# Altium PCB PMR_for_R124_v2.PcbDoc (part 2 of 3) (continued)
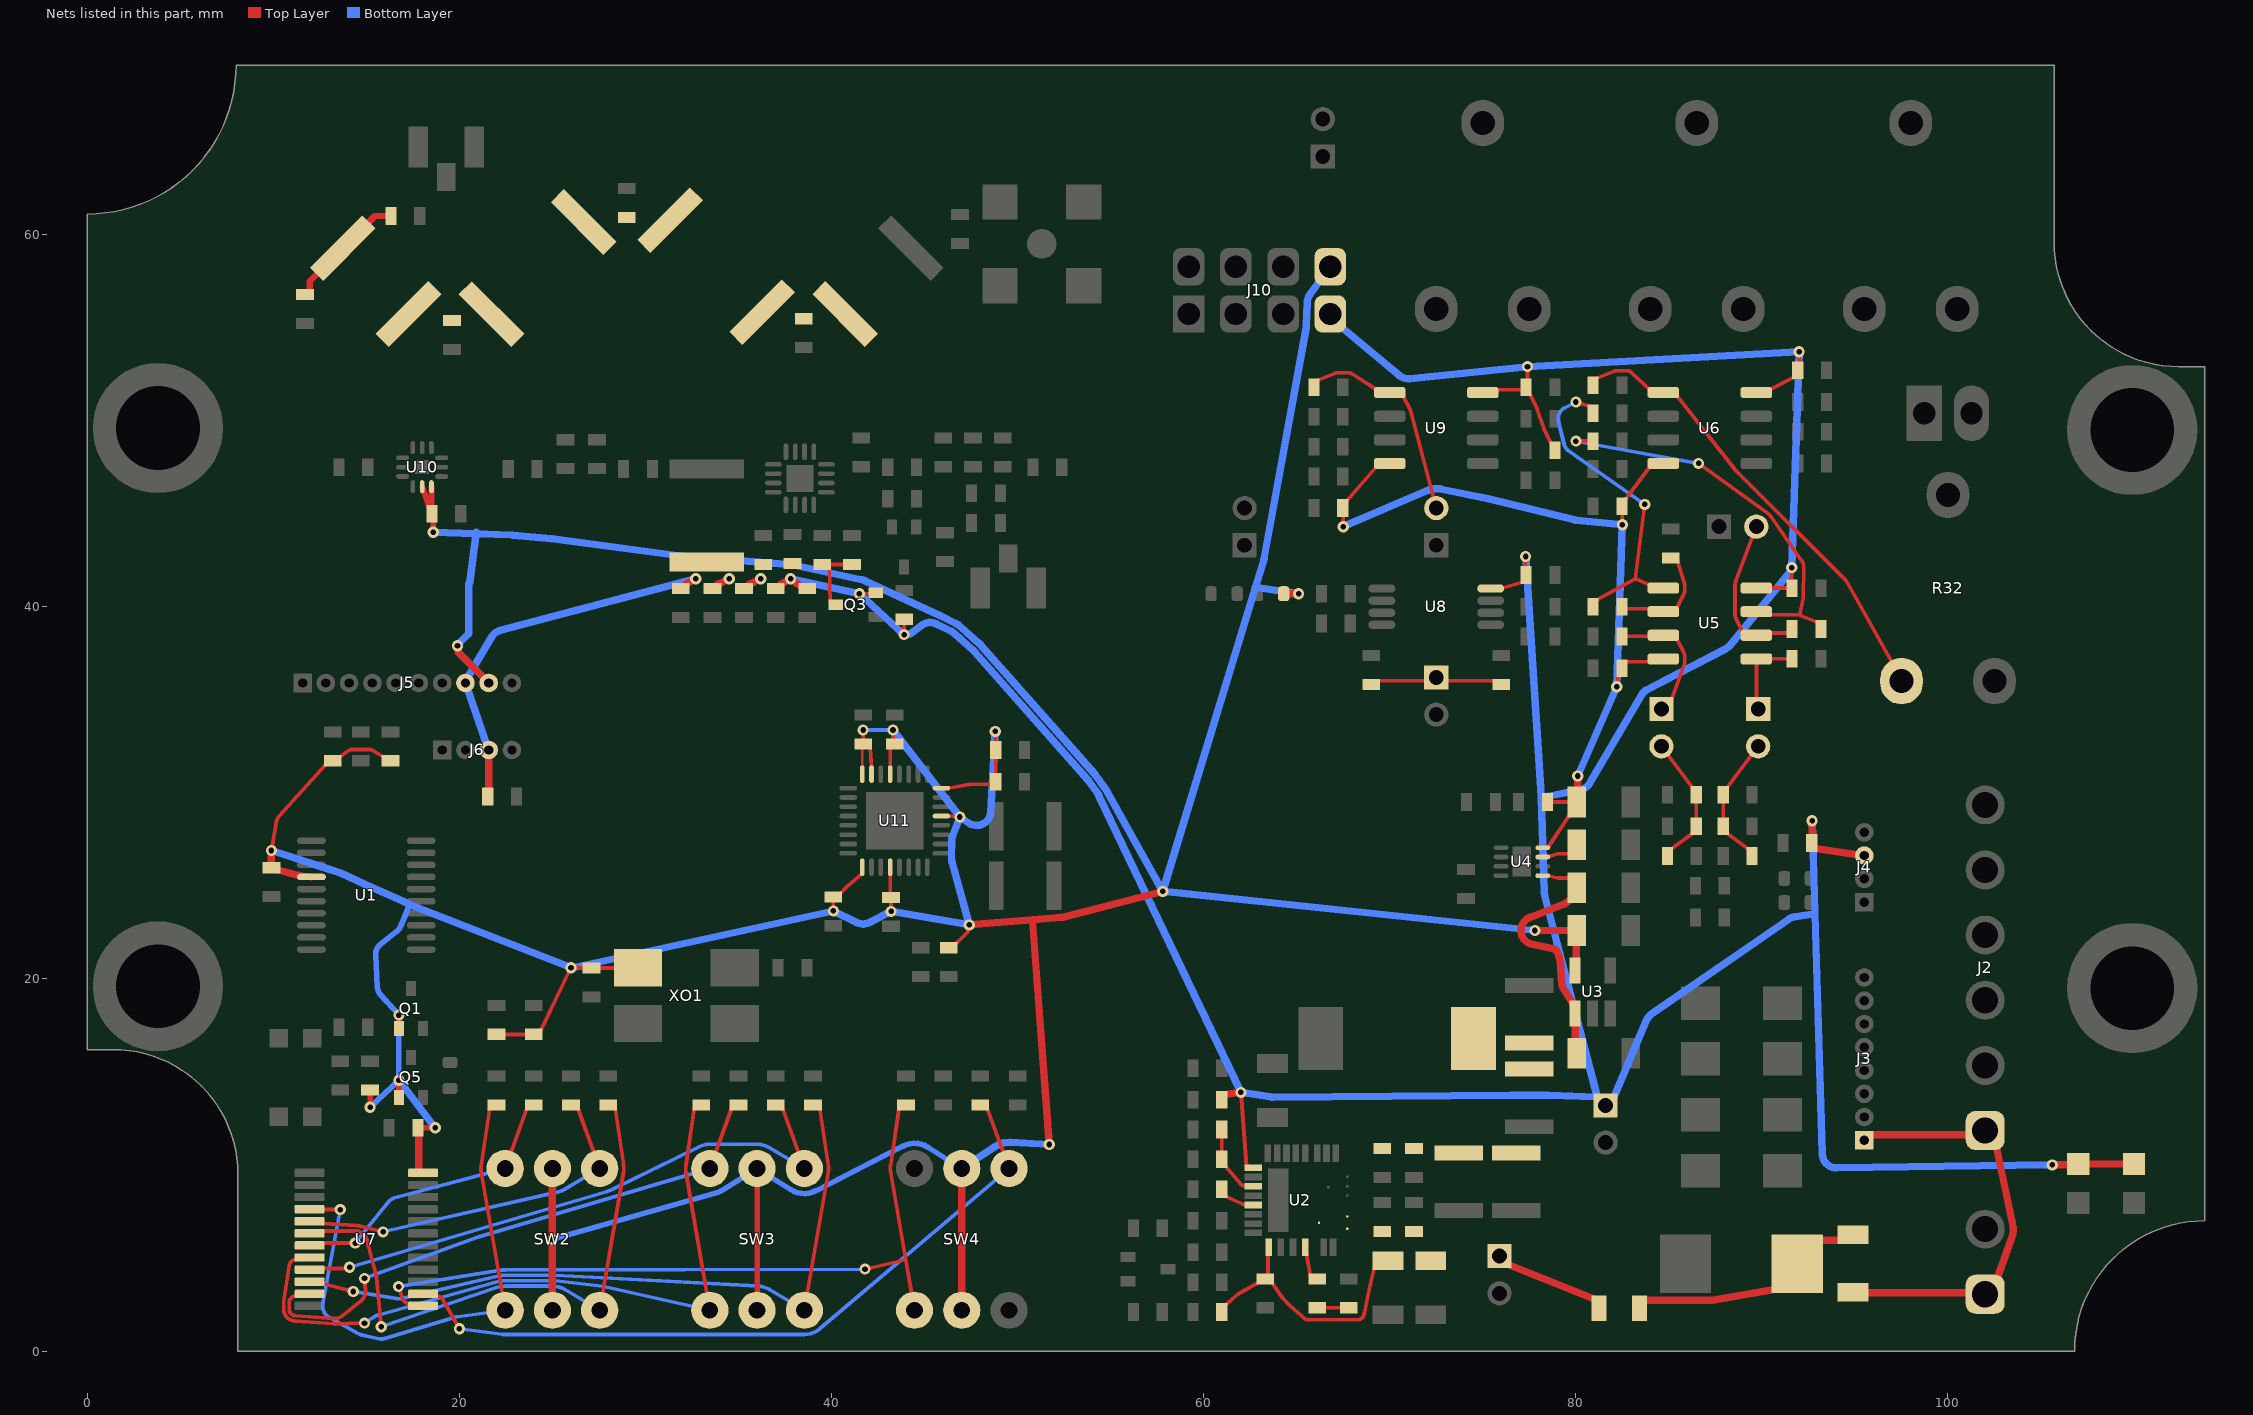
[diagram p4: the nets of this part, all layers, seen from the top]
## Part data (continued)
R69: library part WR06X82R0FTL, "WALSIN - WR06X82R0FTL - RESISTOR, THICK FILM, 82R, 1%, 75V, 0603", Manufacturer=WALSIN, Power Rating=100, Resistance=82R, Resistance Tolerance="± 1%", Resistor Case Style="0603 [1608 Metric]", Resistor Element Material="Thick Film", Supplier Part Number 1=2502484, Temperature Coefficient="± 100", Voltage Rating=75, Automotive Qualification Standard=-, ComponentLink1Description=http://www.farnell.com/datasheets/1960319.pdf, ComponentLink1URL=http://www.farnell.com/datasheets/1960319.pdf, Manufacturer Part Number=WR06X82R0FTL, MSL="MSL 2 - 1 year<!--FANDB--><div class=\"features-and-benefits-container\"><div class=\"features-and-benefits-desc-container\"><span class=\"features-and-benefits-container-desc\">SMD Chip Resistor, 82 ohm, 75 V, 0603 [1608 Metric], 100 mW, ± 1%, WR06 Series</span></div><div class=\"features-and-benefits-description\"><span class=\"features-benefits-value\">The WR06 series resistors from Walsin are general purpose thick film chip resistors. These resistors are constructed in a high grade ceramic body (aluminium oxide).</span></div><div class=\"features-and-benefits-list\"><ul class=\"features-and-benefits-list-list\"><li class=\"features-and-benefits-list-item\">Resistance range includes E24 and E96 decade values from 1ohm to 10Mohm</li><li class=\"features-and-benefits-list-item\">EIA 0603 case size</li><li class=\"features-and-benefits-list-item\">Available in ?±100ppm/°C and -200ppm/°C to +400ppm/°C TCR values</li><li class=\"features-and-benefits-list-item\">Available in ±1% and ±5% tolerance</li><li class=\"features-and-benefits-list-item\">High reliability and stability</li><li class=\"features-and-benefits-list-item\">Higher component and equipment reliability</li><li class=\"features-and-benefits-list-item\">Lower assembly costs</li><li class=\"features-and-benefits-list-item\">Reduced size of final equipment</li><li class=\"features-and-benefits-list-item\">Continuous working voltage is 75V and rated power is 100", Packaging="Cut Tape", Pricing 1="10=0.0128, 100=0.0043, 500=0.0026, 1000=0.0018, 2500=0.0014 (GBP)", Product Range="WR06 Series", RoHS=YES, Stock 1=1700, Supplier 1=Farnell
R70 R71: library part RC0603FR-0791RL, "SMD Chip Resistor, 91 Ohm, ± 1%, 100 mW, 0603 [1608 Metric], Thick Film, General Purpose", Case Code (Imperial)=0603, Case Code (Metric)=1608, Manufacturer=Yageo, Max Operating Temperature=155°C, Max Power Dissipation=100mW, Min Operating Temperature=-55°C, Resistance=91R, Supplier Part Number 1=603-RC0603FR-0791RL, Temperature Coefficient=100ppm/°C, Tolerance=1%, Voltage Rating=50V, Case/Package=0603, Category="Chip SMD Resistors", ComponentLink1Description=https://datasheet.ciiva.com/2455/pyu-r-int-thick-7-2455336.pdf?src-supplier=Digi-Key, ComponentLink1URL=https://datasheet.ciiva.com/2455/pyu-r-int-thick-7-2455336.pdf?src-supplier=Digi-Key, ComponentLink2Description=https://datasheet.ciiva.com/2455/pyu-r-int-thick-7-2455337.pdf?src-supplier=Digi-Key, ComponentLink2URL=https://datasheet.ciiva.com/2455/pyu-r-int-thick-7-2455337.pdf?src-supplier=Digi-Key, ComponentLink3Description=https://datasheet.ciiva.com/2455/pyu-r-int-thick-7-2455335.pdf?src-supplier=Digi-Key, ComponentLink3URL=https://datasheet.ciiva.com/2455/pyu-r-int-thick-7-2455335.pdf?src-supplier=Digi-Key, Construction=Rectangular, Depth=0.8mm, Features="Moisture Resistant", Height=0.45mm, Lead Free=5697LeadFree, Length=1.6mm, Manufacturer Part Number=RC0603FR-0791RL, Military Standard=Not, Number of Terminations=2, Packaging="Tape and Reel", Power Rating=100mW, Pricing 1="1=0.1, 10=0.011, 50=0.011, 100=0.006, 1000=0.004, 10000=0.004 (USD)", RoHS=Yes, RoHS Compliant=Yes, Series=RC, Stock 1=58719, Supplier 1=Mouser, Supplier 2=Farnell, Supplier 3=Digi-Key, Supplier Part Number 2=3950881, Supplier Part Number 3=311-91.0HRCT-ND, Termination=SMD/SMT, Voltage Rating (DC)=50V, Width=0.8mm
R73: library part RC0603FR-076K8L, "Res Thick Film 0603 6.8K Ohm 1% 0.1W(1/10W) ±100ppm/C Pad SMD T/R", Case Code (Imperial)=0603, Case Code (Metric)=1608, Manufacturer=Yageo, Max Operating Temperature=155°C, Max Power Dissipation=100mW, Min Operating Temperature=-55°C, Package Quantity=1, Resistance=6k8, Supplier Part Number 1=603-RC0603FR-076K8L, Temperature Coefficient=100ppm/°C, Tolerance=1%, Voltage Rating=50V, Case/Package=0603, Category="Chip SMD Resistors", ComponentLink1Description=https://datasheet.ciiva.com/46412/443971-46412856.pdf?src-supplier=Element14, ComponentLink1URL=https://datasheet.ciiva.com/46412/443971-46412856.pdf?src-supplier=Element14, ComponentLink2Description=https://datasheet.ciiva.com/7746/443971-7746394.pdf?src-supplier=Element14, ComponentLink2URL=https://datasheet.ciiva.com/7746/443971-7746394.pdf?src-supplier=Element14, ComponentLink3Description=https://datasheet.ciiva.com/7746/443971-7746395.pdf?src-supplier=Element14, ComponentLink3URL=https://datasheet.ciiva.com/7746/443971-7746395.pdf?src-supplier=Element14, ComponentLink4Description=https://datasheet.ciiva.com/2454/pyu-r-int-thick-7-2454156.pdf?src-supplier=Digi-Key, ComponentLink4URL=https://datasheet.ciiva.com/2454/pyu-r-int-thick-7-2454156.pdf?src-supplier=Digi-Key, ComponentLink5Description=https://datasheet.ciiva.com/2454/pyu-r-int-thick-7-2454157.pdf?src-supplier=Digi-Key, ComponentLink5URL=https://datasheet.ciiva.com/2454/pyu-r-int-thick-7-2454157.pdf?src-supplier=Digi-Key, ComponentLink6Description=https://datasheet.ciiva.com/2454/pyu-r-int-thick-7-2454158.pdf?src-supplier=Digi-Key, ComponentLink6URL=https://datasheet.ciiva.com/2454/pyu-r-int-thick-7-2454158.pdf?src-supplier=Digi-Key, ComponentLink7Description=https://datasheet.ciiva.com/7983/443971-7983662.pdf?src-supplier=Element14, ComponentLink7URL=https://datasheet.ciiva.com/7983/443971-7983662.pdf?src-supplier=Element14, ComponentLink8Description=https://datasheet.ciiva.com/46371/1868787-46371519.pdf?src-supplier=Element14, ComponentLink8URL=https://datasheet.ciiva.com/46371/1868787-46371519.pdf?src-supplier=Element14, Composition="Thick Film", Depth=0.8mm, Features="Moisture Resistant", Height=0.022inch, Lead Free="Lead Free", Length=0.063inch, Manufacturer Part Number=RC0603FR-076K8L, Military Standard=Not, Number of Pins=2, Number of Terminations=2, Packaging="Tape and Reel", Power Rating=100mW, Pricing 1="1=0,10000, 10=0,01800, 100=0,00600, 1000=0,00500, 5000=0,00300, 10000=0,00300 (USD)", REACH SVHC="No SVHC", RoHS=Yes, Stock 1=241804, Supplier 1=Mouser, Supplier 2=Farnell, Supplier 3=Digi-Key, Supplier Part Number 2=2421883, Supplier Part Number 3=311-6.80KHRCT-ND, Termination=SMD/SMT, Voltage Rating (DC)=50V, Width=0.031inch
SW1: library part "KMR241G LFS", "C & K COMPONENTS - KMR241G LFS - SWITCH, SMD, 4N, 0.05A, 32VDC, SPST-NO", Actuator / Cap Colour=Black, Contact Current Max=50, Contact Resistance=100, Contact Voltage DC Nom=32, Manufacturer="C & K COMPONENTS", Operating Force=4, Operating Temperature Max=85, Operating Temperature Min=-40, Power Rating="1VA<!--FANDB--><div class=\"features-and-benefits-container\"><div class=\"features-and-benefits-description\"><span class=\"features-benefits-value\">The KMR241G LFS is a micro-miniature SMD Tactile Switch with momentary action and SPST-NO contact arrangement. It has silver-plated gull-wing terminals and grounding pin.</span></div><div class=\"features-and-benefits-list\"><ul class=\"features-and-benefits-list-list\"><li class=\"features-and-benefits-list-item\">Top actuated</li><li class=\"features-and-benefits-list-item\">Excellent tactile feel</li><li class=\"features-and-benefits-list-item\">Ultra low current capabilities</li><li class=\"features-and-benefits-list-item\">300000-cycle Operating life</li><li class=\"features-and-benefits-list-item\">IP40 Protection rating</li></ul></div><div class=\"features-and-benefits-applications\"><ul class=\"features-and-benefits-value\"><li class=\"features-and-benefits-list-item\">Automotive</li><li class=\"features-and-benefits-list-item\">Industrial</li><li class=\"features-and-benefits-list-item\">Medical</li><li class=\"features-and-benefits-list-item\">Portable Devices</li></ul></div></div>", Supplier Part Number 1=611-KMR241GLFS, Actuation Type=Top, ComponentLink1Description=http://www.farnell.com/datasheets/1702857.pdf, ComponentLink1URL=http://www.farnell.com/datasheets/1702857.pdf, Contact Configuration=SPST-NO, External Depth=2.8, External Length / Height=1.9, External Width=4.6, Illumination="Non Illuminated", Manufacturer Part Number="KMR241G LFS", Pricing 1="1=0.384, 50=0.37, 100=0.218, 7000=0.185, 20000=0.181, 30000=0.178, 50000=0.174 (GBP)", Product Range=-, RoHS=YES, Stock 1=40256, Supplier 1=Mouser, Supplier 2=Farnell, Supplier 3=Digi-Key, Supplier Part Number 2=1437637, Supplier Part Number 3=CKN10248DKR-ND, SVHC="No SVHC (17-Dec-2015)", Switch Terminals=Solder
SW2 SW3 SW4: "Rotary Coded Switch Hexadecimal – MCRH Series 10 × 10mm, Through Hole", Manufacturer=Multicomp, Supplier Part Number 1=1522033, ComponentLink1Description=https://datasheet.ciiva.com/6800/389223-6800880.pdf?src-supplier=Newark, ComponentLink1URL=https://datasheet.ciiva.com/6800/389223-6800880.pdf?src-supplier=Newark, ComponentLink2Description=https://datasheet.ciiva.com/1531/1520809-1531931.pdf?src-supplier=Element14, ComponentLink2URL=https://datasheet.ciiva.com/1531/1520809-1531931.pdf?src-supplier=Element14, Manufacturer Part Number=MCRH2AF-16R, RoHS=Yes, Stock 1=789, Supplier 1=Farnell, Supplier 2=Newark, Supplier Part Number 2=74M3034
U1: "MCU 32-Bit STM32 ARM Cortex-M0+ RISC 32KB Flash 2V to 3.6V 20-Pin TSSOP T/R", Manufacturer=STMicroelectronics, Supplier Part Number 1=511-STM32G030F6P6TR, Category=Microcontrollers, Manufacturer Part Number=STM32G030F6P6TR, Pricing 1="1=1.84000, 10=1.66000, 50=1.66000, 100=1.29000, 250=1.21000, 500=1.07000, 1000=0.84100, 2500=0.78400, 5000=0.74700, 10000=0.74700 (USD)", RoHS=Yes, Stock 1=3310, Supplier 1=Mouser, Supplier 2=Digi-Key, Supplier Part Number 2=497-STM32G030F6P6TRCT-ND
U2: "Switching Voltage Regulators microBUCK 4.5-55V; 3A", Manufacturer=Vishay, Supplier Part Number 1=78-SIC479ED-T1-GE3, Category="Voltage Regulators - Switching", ComponentLink1Description=http://www.vishay.com/docs/77113/sic47x.pdf?src-supplier=Digi-Key, ComponentLink1URL=http://www.vishay.com/docs/77113/sic47x.pdf?src-supplier=Digi-Key, ComponentLink2Description=https://datasheet.octopart.com/SIC479ED-T1-GE3-Vishay-datasheet-156007660.pdf?src-supplier=Future+Electronics, ComponentLink2URL=https://datasheet.octopart.com/SIC479ED-T1-GE3-Vishay-datasheet-156007660.pdf?src-supplier=Future+Electronics, Manufacturer Part Number=SIC479ED-T1-GE3, Pricing 1="1=4.1, 10=3.69, 50=3.41, 100=3.02, 1000=2.41, 10000=2.4 (USD)", RoHS=Yes, Stock 1=3358, Supplier 1=Mouser, Supplier 2=Digi-Key, Supplier 3=Newark, Supplier 4=Farnell, Supplier Part Number 2=742-SIC479ED-T1-GE3CT-ND, Supplier Part Number 3=23AH3586, Supplier Part Number 4=3212621
U3: "IC REG LINEAR 200MA SOT23-5", Current - Output=200mA, Manufacturer=STMicroelectronics, Operating Temperature="-40°C ~ 125°C (TJ)", Package / Case="SC-74A, SOT-753", Supplier Device Package=SOT-23-5, Supplier Part Number 1=511-LDK320M33R, Voltage - Input (Max)=18V, Voltage - Output (Min/Fixed)=3.3V, Voltage Dropout (Max)="0.35V @ 200mA", Category="Integrated Circuits (ICs)", ComponentLink1Description=http://www.st.com/content/ccc/resource/technical/document/datasheet/0e/0c/26/c9/a4/d4/4b/a1/DM00236470.pdf/files/DM00236470.pdf/jcr:content/translations/en.DM00236470.pdf, ComponentLink1URL=http://www.st.com/content/ccc/resource/technical/document/datasheet/0e/0c/26/c9/a4/d4/4b/a1/DM00236470.pdf/files/DM00236470.pdf/jcr:content/translations/en.DM00236470.pdf, Control Features=Enable, Manufacturer Part Number=LDK320M33R, Mounting Type="Surface Mount", Output Configuration=Positive, Output Type=Fixed, Packaging="Cut Tape (CT)", Part Status=Active, Pricing 1="1=0.85, 10=0.748, 100=0.5733, 500=0.4532, 1000=0.36256 (USD)", Protection Features="Over Current, Over Temperature", PSRR="88dB (120Hz)", RoHS="RoHS Compliant", Stock 1=5592, Supplier 1=Mouser, Supplier 2=Farnell, Supplier 3=Digi-Key, Supplier Part Number 2=3130011, Supplier Part Number 3=497-17034-1-ND
U4: "Low-Noise Regulated Inverter with Integrated LDO 8-WSON -40 to 85", Manufacturer="Texas Instruments", Max Supply Voltage=5.5V, Min Supply Voltage=2.7V, Nominal Supply Current=370uA, Supplier Part Number 1=595-LM27761DSGT, Category="Voltage Regulators - Switching", ComponentLink1Description=http://www.ti.com/lit/gpn/lm27761?src-supplier=Mouser, ComponentLink1URL=http://www.ti.com/lit/gpn/lm27761?src-supplier=Mouser, ComponentLink2Description=http://www.ti.com/general/docs/lit/getliterature.tsp?genericPartNumber=LM27761&amp;&amp;fileType=pdf&src-supplier=Newark, ComponentLink2URL=http://www.ti.com/general/docs/lit/getliterature.tsp?genericPartNumber=LM27761&amp;&amp;fileType=pdf&src-supplier=Newark, ComponentLink3Description=http://www.ti.com/general/docs/lit/getliterature.tsp?genericPartNumber=LM27761&amp;&amp;fileType=pdf&src-supplier=Farnell, ComponentLink3URL=http://www.ti.com/general/docs/lit/getliterature.tsp?genericPartNumber=LM27761&amp;&amp;fileType=pdf&src-supplier=Farnell, ComponentLink4Description=http://www.ti.com/general/docs/lit/getliterature.tsp?genericPartNumber=LM27761&&fileType=pdf&src-supplier=Farnell, ComponentLink4URL=http://www.ti.com/general/docs/lit/getliterature.tsp?genericPartNumber=LM27761&&fileType=pdf&src-supplier=Farnell, ComponentLink5Description=http://www.ti.com/general/docs/suppproductinfo.tsp?distId=10&amp;gotoUrl=http%3A%2F%2Fwww.ti.com%2Flit%2Fgpn%2Flm27761&src-supplier=Digikey, ComponentLink5URL=http://www.ti.com/general/docs/suppproductinfo.tsp?distId=10&amp;gotoUrl=http%3A%2F%2Fwww.ti.com%2Flit%2Fgpn%2Flm27761&src-supplier=Digikey, ComponentLink6Description=http://www.ti.com/lit/ds/symlink/lm27761.pdf?src-supplier=Digikey, ComponentLink6URL=http://www.ti.com/lit/ds/symlink/lm27761.pdf?src-supplier=Digikey, ComponentLink7Description=http://www.ti.com/general/docs/lit/getliterature.tsp?genericPartNumber=LM27761&&fileType=pdf&src-supplier=Element14, ComponentLink7URL=http://www.ti.com/general/docs/lit/getliterature.tsp?genericPartNumber=LM27761&&fileType=pdf&src-supplier=Element14, Height=800um, Length=2mm, Manufacturer Part Number=LM27761DSGT, Pricing 1="1=1.25, 10=0.81, 50=0.81, 100=0.72, 1000=0.72, 10000=0.72 (USD)", RoHS=Yes, Stock 1=2552, Supplier 1=Mouser, Supplier 2="Texas Instruments", Supplier 3=Digikey, Supplier Part Number 2=LM27761DSGT, Supplier Part Number 3=296-43882-1-ND, Thickness=750um, Width=2mm
U5 U6 U9: "2-channel, 10-MHz, 26-V output swing, low-noise audio op amp 8-SOIC 0 to 70", Case/Package=D, Dual Supply Voltage=9V, Input Bias Current=800nA, Input Offset Voltage (Vos)=4mV, Manufacturer="Texas Instruments", Max Dual Supply Voltage=15V, Max Operating Temperature=70°C, Min Dual Supply Voltage=5V, Min Operating Temperature=0°C, Nominal Supply Current=16mA, Operating Supply Current=8mA, Output Current=38mA, Package Quantity=1, Supplier Part Number 1=595-NE5532DR, Voltage Gain=100dB, Bandwidth=10MHz, Category="Amplifiers - Op Amps, Buffer, Instrumentation", Common Mode Rejection Ratio=70dB, ComponentLink1Description=https://datasheet.ciiva.com/1796/ne5532-1796190.pdf?src-supplier=Digi-Key, ComponentLink1URL=https://datasheet.ciiva.com/1796/ne5532-1796190.pdf?src-supplier=Digi-Key, ComponentLink2Description=https://datasheet.ciiva.com/1796/ne5532-1796189.pdf?src-supplier=Digi-Key, ComponentLink2URL=https://datasheet.ciiva.com/1796/ne5532-1796189.pdf?src-supplier=Digi-Key, ComponentLink3Description=https://datasheet.ciiva.com/1796/ne5532-1796191.pdf?src-supplier=Digi-Key, ComponentLink3URL=https://datasheet.ciiva.com/1796/ne5532-1796191.pdf?src-supplier=Digi-Key, Contact Plating=Gold, Gain Bandwidth Product=10MHz, Height=1.58mm, Lead Free="Lead Free", Length=4.9mm, Manufacturer Part Number=NE5532DR, Max I/O Voltage=4mV, Max Supply Voltage=15V, Nominal Gain Bandwidth Product=10MHz, Number of Amplifiers=2, Number of Channels=2, Number of Circuits=2, Number of Elements=2, Number of Pins=8, Output Current per Channel=38mA, Packaging="Tape and Reel", Parameter 1=Jellybean, Pricing 1="1=0.60000, 10=0.51400, 50=0.51400, 100=0.35600, 500=0.30100, 1000=0.23300, 2500=0.21100, 10000=0.21100 (USD)", Radiation Hardening=No, REACH SVHC="No SVHC", RoHS=Yes, RoHS Compliant=Yes, Slew Rate=9V/µs, Supplier 1=Mouser, Supplier 2=Farnell, Supplier 3=Digi-Key, Supplier Part Number 2=3117312, Supplier Part Number 3=296-13622-6-ND, Unity Gain Bandwidth Product=10MHz, Width=3.91mm
U7: library part CMP-0314-00251-2, "Remote 16-Bit I2C and SMBus, Low-Power I/O Expander with Interrupt Output, Reset & Config. Register, 1.65 to 5.5 V, -40 to 85 degC, 24-pin TSSOP (PW), Green (RoHS & no Sb/Br)", 5V Tolerant I/O=Yes, Manufacturer="Texas Instruments", Max Frequency(kHz)=400, # of I/Os=16, Code_JEDEC=MO-153, ComponentLink1Description=Datasheet, ComponentLink1URL=http://www.ti.com/general/docs/lit/getliterature.tsp?genericPartNumber=TCA9539&fileType=pdf, ComponentLink2Description="Package Specification", ComponentLink2URL=http://www.ti.com/litv/pdf/mpds177g, Configuration Registers=Yes, DatasheetVersion=SCPS202A, Eco-Plan="Green (RoHS & no Sb/Br)", I2C Address="1110 1xx", Interrupt Output=Yes, Low Power=Yes, Mounting Technology="Surface Mount", PackageDescription="24-Pin Thin Small Outline Package 0.65 mm Pitch", PackageReference=PW0024A, PackageVersion="revG, Feb-2011", PartNumber=TCA9539PWR, Push-Pull I/O Type=Yes, Reset Input=Yes, SubFamily="I2C IO Expander", Vcc range(V)="1.65 to 5.5"
U8: library part AD8532ARUZ-REEL, "Low Cost, 250 mA Output, Single-Supply Amplifiers, DUAL, CMOS, TSSOP, 8PIN, PLASTIC", Case/Package=TSSOP, Input Bias Current=5pA, Input Offset Voltage (Vos)=25mV, Input Voltage Noise Density="45nV/sqrt Hz", Manufacturer="Analog Devices", Max Operating Temperature=85°C, Max Supply Voltage=6V, Min Operating Temperature=-40°C, Min Supply Voltage=2.7V, Operating Supply Current=2.5mA, Output Current per Channel=250mA, Package Quantity=2500, Power Supply Rejection Ratio (PSRR)=55dB, Quiescent Current=1.25mA, Supplier Part Number 1=584-AD8532ARUZ-R, Voltage Gain=98.06dB, Amplifier Type="GENERAL PURPOSE", Category="Amplifiers - Op Amps, Buffer, Instrumentation", Common Mode Rejection Ratio=47dB, ComponentLink1Description=https://datasheet.ciiva.com/45425/ad8531-8532-8534-45425830.pdf?src-supplier=Digi-Key, ComponentLink1URL=https://datasheet.ciiva.com/45425/ad8531-8532-8534-45425830.pdf?src-supplier=Digi-Key, Contact Plating=Tin,Matte, Gain Bandwidth Product=3MHz, Lead Free="Contains Lead", Manufacturer Part Number=AD8532ARUZ-REEL, Number of Amplifiers=2, Number of Channels=2, Number of Circuits=2, Number of Elements=2, Packaging="Tape and Reel", Pins=8, Pricing 1="1=1.55, 10=1.32, 50=1.32, 100=1.12, 1000=0.762, 10000=0.648 (USD)", RoHS=Yes, RoHS Compliant=Yes, Series=-, Settling Time=1.4us, Slew Rate=5V/µs, Stock 1=16323, Supplier 1=Mouser, Supplier 2=Farnell, Supplier 3=Digi-Key, Supplier Part Number 2=4019791RL, Supplier Part Number 3=505-AD8532ARUZ-REELCT-ND, Technology=CMOS, Unity Gain Bandwidth Product=3MHz
U10: "RF Switch SP2T 100MHz to 6GHz 16dB Automotive 12-Pin QFN EP", Case/Package=QFN, Frequency=100MHz, Manufacturer="Skyworks Solutions", Max Frequency=6GHz, Max Operating Temperature=85°C, Min Operating Temperature=-40°C, Package Quantity=3000, Supplier Part Number 1=873-SKY13330-397LF, Category="RF Semiconductors and Devices", ComponentLink1Description=https://datasheet.ciiva.com/15100/getdatasheetpartid-656010-15100460.pdf?src-supplier=Verical, ComponentLink1URL=https://datasheet.ciiva.com/15100/getdatasheetpartid-656010-15100460.pdf?src-supplier=Verical, Contact Plating=Tin,Matte, Impedance=50R, Insertion Loss=0.65dB, Manufacturer Part Number=SKY13330-397LF, Mount="Surface Mount", Number of Pins=12, P1dB=39dBm, Packaging="Tape and Reel", Pricing 1="1=1.02000, 10=0.86600, 50=0.86600, 100=0.66600, 500=0.58800, 1000=0.46500, 3000=0.43000, 10000=0.43000 (USD)", Radiation Hardening=No, RoHS=Yes, Supplier 1=Mouser, Supplier 2=Digi-Key, Supplier 3="Arrow Electronics", Supplier Part Number 2=863-1643-2-ND, Supplier Part Number 3=SKY13330-397LF, Throw Configuration=SPDT, Turn-Off Delay Time=1.6us, Turn-On Delay Time=1.6us, Weight=0.000776oz
U11: "SINGLE CHIP TRANSCEIVER FOR WALKIE TALKIE"
U12: "Amplifier, Power, 0.4–0.5 GHz, 41.0 dB, 34.8 dBm, 3.0 x 3.0 mm QFN-16", Manufacturer="Guerrilla RF", Supplier Part Number 1=459-GRF5504, Category=LDO, Manufacturer Part Number=GRF5504, Pricing 1="1=6.08, 10=5.78, 50=5.78, 100=5.33, 1000=2.39, 10000=2.03 (USD)", RoHS=No, Stock 1=6789, Supplier 1=Mouser, Supplier 2="Richardson RFPD", Supplier Part Number 2=GRF5504
XO1: "Oscillator XO 25MHz ±25ppm CMOS 60% 3.3V 4-Pin SMD T/R", Case/Package=SMD/SMT, Frequency=25MHz, Frequency Stability=25ppm, Manufacturer=TXC, Max Operating Temperature=70°C, Max Supply Current=30mA, Min Operating Temperature=-10°C, Operating Supply Voltage=3.3V, Package Quantity=1000, Supplier Part Number 1=717-7C-25.000MBA-T, Category=Oscillators, ComponentLink1Description=https://datasheet.ciiva.com/866/7c-tight-866555.pdf?src-supplier=Digi-Key, ComponentLink1URL=https://datasheet.ciiva.com/866/7c-tight-866555.pdf?src-supplier=Digi-Key, ComponentLink2Description=https://datasheet.ciiva.com/866/7c-tight-866557.pdf?src-supplier=Digi-Key, ComponentLink2URL=https://datasheet.ciiva.com/866/7c-tight-866557.pdf?src-supplier=Digi-Key, ComponentLink3Description=https://datasheet.ciiva.com/1357/1363553-1357832.pdf?src-supplier=Element14, ComponentLink3URL=https://datasheet.ciiva.com/1357/1363553-1357832.pdf?src-supplier=Element14, ComponentLink4Description=https://datasheet.ciiva.com/866/7c-tight-866556.pdf?src-supplier=Digi-Key, ComponentLink4URL=https://datasheet.ciiva.com/866/7c-tight-866556.pdf?src-supplier=Digi-Key, ComponentLink5Description=https://datasheet.ciiva.com/1365/7c-1365613.pdf?src-supplier=Farnell, ComponentLink5URL=https://datasheet.ciiva.com/1365/7c-1365613.pdf?src-supplier=Farnell, Depth=3.2mm, Height=0.055inch, Length=0.197inch, Manufacturer Part Number=7C-25.000MBA-T, Mount="Surface Mount", Packaging="Tape and Reel", Pricing 1="1=2.43000, 10=2.37000, 50=2.25000, 100=1.97000, 1000=1.51000, 10000=1.38000 (USD)", REACH SVHC="No SVHC", RoHS=Yes, Stock 1=438, Supplier 1=Mouser, Supplier 2=Farnell, Supplier 3=Digi-Key, Supplier Part Number 2=1842030, Supplier Part Number 3=887-1389-1-ND, Termination=SMD/SMT, Width=0.126inch

## Free pads (board coordinates)
  round 7 hole 4.5 mask+0.05: 1(3.8,19.6) 1(3.8,49.6) 1(109.9,19.5) 1(109.9,49.5)

## Via types
v1: diameter 0.6, hole 0.3, Top Layer to Bottom Layer, 569 vias
v2: diameter 0.7, hole 0.3, Top Layer to Bottom Layer, 9 vias
v3: diameter 0.5, hole 0.2, Top Layer to Bottom Layer, 5 vias
v4: diameter 0.6, hole 0.3, Top Layer to Bottom Layer, tented top, 3 vias

## Nets (pads, with @x,y where several pads share a name; then routed paths per layer and width w, separated by ;. In a path a pad name is that pad's centre, name@x,y a point inside that pad or via, vN(x,y) a via of type N, cw(c..) or ccw(c..) an arc to the next point about the centre after c; other vN are vias at no path point)
+3V3: C2.1 C22.2 C41.1 C54.1 C55.1 C56.1 C57.1 C58.1 C59.1 C60.1 C61.1 D12.1 J5.9 J10.8 Q1.1 Q5.1 R2.1 R5.2 R6.2 R7.1 R8.1 R77.1 SW2.2 SW2.5 SW3.2 SW3.5 SW4.2 SW4.5 U1.4 U3.5 U7.24 U10.8 U10.9 U11.1 U11.4 U11.13 U11.16 U11.21 U11.23 U11.24 XO1.4 | length 322.3
  Top Layer w0.15: C56.1@41.6,32.6 41.65,32.55 U11.24@41.65,31
  Top Layer w0.2: v1(9.9,26.9) 10.155,28.409 cw(c10.8,28.3) 10.314,28.738 12.825,31.525 R6.2@13.2,31.725 13.575,31.925 14.049,32.268 cw(c14.225,32.025) 14.225,32.325 15.175,32.325 cw(c15.175,32.025) 15.329,32.282 15.925,31.925 R5.2@16.3,31.725 ; R7.1@22,17.025 22.375,17.006 23.625,17.006 R8.1@23.996,17.001 ; R8.1@24,17.025 24.375,17.225 v1(26,20.6) ; v1@26,20.5 v1(26,20.6) ; XO1.4@29.6,20.6 28.4,20.579 27.475,20.579 C54.1@27.1,20.575 26.725,20.6 v1(26,20.6) ; v1(40.1,23.65) C59.1@40.1,24.4 40.475,24.6 40.838,24.963 cw(c41.3,24.5) 40.879,25 41.65,25.65 U11.1@41.65,26 ; v1(41.7,33.375) C56.1@41.7,32.625 42.075,32.425 42.15,31.35 U11.23@42.15,31 ; U11.4@43.15,26 43.15,24.575 C58.1@43.2,24.375 v1(43.2,23.625) ; U11.21@43.15,31 43.15,32.425 C55.1@43.4,32.625 43.303,32.825 v1(43.303,33.375) ; U11.13@45.9,28.75 46.25,28.75 v1(46.9,28.7) ; U11.16@45.9,30.25 46.25,30.25 47.39,30.445 cw(c47.5,29.8) 47.5,30.454 48.625,30.454 C57.1@48.825,30.6 C60.1@48.825,32.3 48.8,32.675 v1(48.8,33.3) ; R77.1@46.4,21.6 47.323,22.523 47.323,22.823 v1(47.4,22.9)
  Top Layer w0.3: v1(15.2,13.1) R2.1@15.2,14.025 ; Q5.1@16.75,13.625 v1(16.75,14.55) ; Q1.1@16.75,17.125 v1(16.75,18.05) ; C41.1@17.775,12 v1(18.7,12) ; U10.8@18,46.45 C61.1@18.375,45.325 ; C61.1@18.5,45.325 U10.9@18.5,46.45 ; C61.1@18.525,45 18.6,44.675 v1(18.6,44) ; SW3.2@36,2.19 SW3.5@36,9.81
  Top Layer w0.4: v1(9.9,26.9) C2.1@9.9,25.975 10.175,25.875 11.3,25.57 ccw(c11.45,26.125) 11.382,25.554 U1.4@12.05,25.475 ; C41.1@17.775,12 17.806,11.725 17.806,9.6 U7.24@18.05,9.575 ; v1(19.9,37.9) 19.938,37.862 19.938,37.56 21.575,35.923 J5.9@21.575,35.9 ; SW2.2@25,2.19 v1(25,6) SW2.5@25,9.81 ; SW4.2@47,2.19 SW4.5@47,9.81 ; v1(47.4,22.9) 50.794,23.173 ; v1(51.7,11.1) 50.829,22.773 ccw(c50.43,22.743) 50.828,22.777 50.794,23.173 ; v1(57.8,24.7) 52.45,23.313 cw(c52.35,23.7) 52.382,23.301 50.794,23.173 ; D12.1@64.3,40.7 v1(65.1,40.7) ; v1(77.8,22.6) 79.75,22.6 C22.2@80.05,22.6 80.021,21.975 80.021,20.95 U3.5@79.95,20.45
  Bottom Layer w0.2: v1(41.7,33.375) v1(43.303,33.375)
  Bottom Layer w0.3: v1(15.2,13.1) v1(16.75,14.55) v1(16.75,18.05) 15.777,19.128 cw(c16.3,19.6) 15.597,19.559 15.497,21.259 cw(c16.2,21.3) 15.761,21.851 16.639,22.549 ccw(c16.2,23.1) 16.85,22.829 17.229,23.731 17.335,23.99 ; v1(25,6) 33.829,8.512 ccw(c33.46,9.81) 34.178,8.666 SW3.5@36,9.81 37.823,8.666 ccw(c38.54,9.81) 39.156,8.609 43.844,11.011 cw(c44.46,9.81) 45.187,10.948 46.821,9.904 ccw(c46.981,10.157) 46.844,9.891 SW4.5@47,9.81
  Bottom Layer w0.4: v1(9.9,26.9) 9.967,26.874 ccw(c10.112,27.247) 9.988,26.866 12.997,25.891 13.533,25.717 cw(c13.3,25) 13.616,25.685 15.284,24.915 ccw(c15.6,25.6) 15.3,24.908 15.8,24.692 cw(c15.5,24) 15.808,24.688 17.013,24.149 17.341,24.003 17.596,23.889 ; v1(16.75,14.55) v1(18.7,12) ; 17.014,24.151 17.335,23.99 17.596,23.889 ; v1(18.6,44) 20.87,43.921 22.826,43.854 cw(c22.8,43.1) 22.871,43.851 24.971,43.651 cw(c24.9,42.9) 25,43.647 31.7,42.753 ccw(c31.8,43.5) 31.739,42.748 37.861,42.252 cw(c37.8,41.5) 37.959,42.237 41.659,41.437 cw(c41.5,40.7) 41.817,41.384 45.823,39.528 cw(c45.3,38.4) 45.856,39.512 46.656,39.112 cw(c46.1,38) 46.932,38.923 47.931,38.024 cw(c47.1,37.1) 48.032,37.922 54.131,31.023 cw(c53.2,30.2) 54.211,30.922 54.711,30.222 cw(c53.7,29.5) 54.785,30.105 v1(57.8,24.7) ; v1(19.9,37.9) 19.9,37.954 20.504,38.558 20.504,41.248 20.552,41.296 20.9,44 ; v1(43.303,33.375) v1(46.9,28.7) ; SW4.5@47,9.81 48.768,10.978 cw(c49.54,9.81) 49.612,11.208 v1(51.7,11.1) ; v1(48.8,33.3) 48.553,28.957 cw(c47.8,29) 47.376,28.376 v1(46.9,28.7) ; 62.777,41.037 v1(65.1,40.7) ; J10.8@66.81,58.27 66.385,57.695 65.721,56.795 ccw(c66.385,56.305) 65.56,56.333 65.52,55.127 cw(c64.695,55.155) 65.507,55.007 63.244,42.578 cw(c62.85,42.65) 63.233,42.533 62.778,41.04 v1(57.8,24.7) ; v1(77.8,22.6) v1(57.8,24.7) ; 17.596,23.889 v1(26,20.6) 26.086,20.604 ccw(c26.067,21.003) 26.152,20.612 v1(40.1,23.65) 41.366,23.024 ccw(c41.7,23.7) 42.045,23.03 v1(43.2,23.625) v1(47.4,22.9) 46.473,26.302 cw(c47.2,26.5) 46.446,26.514 46.463,27.445 cw(c47.217,27.431) 46.514,27.703 v1(46.9,28.7)
+5V: C1.1 C3.1 C5.2 C6.2 C7.2 C8.2 C9.2 C10.2 C15.1 C21.2 C23.2 C34.2 C36.2 C45.2 C46.2 C62.1 C63.1 C69.1 C70.1 C71.1 D8.2 D10.1 J4.3 J5.8 J6.3 J10.7 L1.2 L6.2 L10.1 Q3.2 R11.2 R65.1 R74.1 R75.2 U2.20 U3.1 U4.1 U5.8 U6.8 U8.8 U9.8 | length 265.2
  Top Layer w0.2: v1(41.5,40.7) 42.075,40.7 Q3.2@42.375,40.75 ; v1(43.9,38.5) R75.2@43.9,39.325 ; v1(62,13.9) 62.305,9.929 U2.20@62.675,9.851 ; U9.8@75,51.505 75.7,51.655 77.125,51.655 C46.2@77.325,51.8 ; U8.8@75.425,40.975 75.925,40.975 77.125,41.325 C45.2@77.325,41.7 77.3,42.075 v1(77.3,42.7) ; v1(77.4,52.9) 77.4,52.175 C46.2@77.325,51.8 ; U4.1@78.225,25.55 78.49,25.55 78.989,25.438 ccw(c79.132,26.076) 79.132,25.422 79.65,25.422 C23.2@80.05,24.9 ; R65.1@78.875,48.4 78.675,48.775 78.308,49.488 cw(c78.575,49.625) 78.29,49.53 77.91,50.67 ccw(c77.625,50.575) 77.892,50.712 77.525,51.425 C46.2@77.325,51.8 ; U5.8@89.7,41.005 90.4,41.001 91.425,41.001 C34.2@91.625,41 91.6,41.375 v1(91.6,42.1) ; U6.8@89.7,51.505 90.4,51.655 91.725,52.325 C36.2@91.925,52.7 92,53.075 v1(92,53.7)
  Top Layer w0.4: C3.1@21.5,29.8 21.575,30.075 J6.3@21.575,32.3 ; C70.1@31.9,40.975 32.175,41.075 32.175,41.2 v1(32.7,41.5) ; C62.1@33.6,40.975 33.875,41.075 33.875,41.2 v1(34.5,41.5) ; C63.1@35.3,40.975 35.575,41.075 35.575,41.2 v1(36.2,41.5) ; C69.1@37,40.975 37.275,41.075 37.275,41.2 v1(37.8,41.5) 38.2,41.2 38.425,41.075 C71.1@38.7,40.975 ; R11.2@60.975,13.5 61.075,13.775 v1(62,13.9) ; C21.2@80.05,16 79.973,16.625 79.973,17.65 U3.1@79.95,18.15 79.85,18.65 79.308,19.542 cw(c79.65,19.75) 79.251,19.718 79.152,20.96 ccw(c78.4,20.9) 79.1,21.18 79.004,21.421 ccw(c78.7,21.3) 78.769,21.62 77.641,21.863 cw(c77.8,22.6) 77.528,23.303 79.322,23.997 ccw(c79.05,24.7) 79.491,24.088 79.75,24.275 C23.2@80.05,24.9 ; v1(92.7,28.5) 92.7,27.575 C1.1@92.675,27.3 92.775,27.025 J4.3@95.5,26.625 ; v1(105.6,10) 106.6,10 D10.1@107,10.05 107.4,10.05 109.6,10.05 D8.2@110,10.05
  Bottom Layer w0.4: J6.3@21.575,32.3 J5.8@20.325,35.9 20.365,36.027 cw(c20.746,35.906) 20.402,36.11 21.751,38.385 cw(c22.4,38) 22.207,38.729 v1(32.7,41.5) ; v1(37.8,41.5) v1(41.5,40.7) v1(43.9,38.5) 44.057,38.5 ccw(c44.056,38.9) 44.299,38.583 44.841,38.998 cw(c45.3,38.4) 45.637,39.074 46.437,38.674 cw(c46.1,38) 46.604,38.56 47.604,37.66 cw(c47.1,37.1) 47.665,37.599 53.765,30.699 cw(c53.2,30.2) 53.814,30.638 54.314,29.938 cw(c53.7,29.5) 54.38,29.825 v1(62,13.9) 63.585,13.655 ccw(c63.7,14.4) 63.706,13.646 76.494,13.754 cw(c76.5,13) 76.501,13.754 78.497,13.754 cw(c78.5,13) 78.53,13.753 81.15,13.65 81.017,14.171 ; J10.7@66.81,55.73 67.235,55.155 70.517,52.421 ccw(c71,53) 71.077,52.25 v1(77.4,52.9) v1(92,53.7) v1(91.6,42.1) v1(91.6,42.1) cw(c91.2,42.115) 91.51,41.861 88.283,37.922 cw(c87.7,38.4) 88.048,37.731 83.766,35.505 ccw(c83.95,35.15) 83.606,35.353 80.749,30.517 cw(c80.1,30.9) 80.249,30.161 78.588,29.827 cw(c78.509,30.219) 78.534,29.819 78.136,29.796 ; v1(77.3,42.7) 78.135,29.801 cw(c77.736,29.775) 78.135,29.797 78.136,29.791 78.296,24.676 ccw(c79.05,24.7) 78.32,24.51 81.017,14.172 ; C15.1@81.6,13.2 82.05,13.65 83.806,17.794 cw(c84.5,17.5) 84.072,18.121 91.472,23.221 cw(c91.9,22.6) 91.793,23.346 92.852,23.499 ; v1(92.7,28.5) 92.852,23.507 93.246,10.577 ccw(c94,10.6) 94.01,9.846 v1(105.6,10)
"+5V BIAS": Q3.3 R72.1 R73.1 | length 4.2
  Top Layer w0.2: Q3.3@40.225,40.1 39.925,40.275 39.876,42.069 R73.1@39.501,42.269 39.876,42.269 40.722,42.269 R72.1@41.097,42.271
+26V: F1.1 J1.1 J2.1 J3.1 | length 23.3
  Top Layer w0.4: F1.1@94.9,3.15 95.525,3.141 101.475,3.141 J1.1@102,3.05 102.525,3.575 103.412,6.043 ccw(c102,6.55) 103.468,6.86 102.525,11.325 J2.1@102,11.85 101.475,11.625 95.8,11.625 J3.1@95.5,11.325
+26V_PROTECTION: D1.1 F1.2 FR1.1 | length 13
  Top Layer w0.4: FR1.1@83.425,2.3 83.625,2.725 87.275,2.725 ccw(c87.275,3.125) 87.344,2.731 90.725,3.325 D1.1@91.9,4.7 93.075,5.95 94.275,5.95 F1.2@94.9,6.25
+POWER_RAIL: C4.1 C11.2 C12.2 C13.2 C14.2 C17.2 FR1.2 R9.2 U2.1 U2.7 U2.8 U2.29 | length 20.7
  Top Layer w0.2: R9.2@60.975,2.1 61.175,2.475 61.831,3.05 62.925,3.675 C17.2@63.3,3.875 ; U2.1@63.499,5.575 63.456,5.205 63.456,4.075 C17.2@63.3,3.875 ; C11.2@69.9,4.85 69.175,4.45 68.96,3.584 ccw(c69.3,3.5) 68.958,3.573 68.733,2.523 ccw(c69.075,2.45) 68.732,2.52 68.675,2.24 68.618,1.956 cw(c68.275,2.025) 68.275,1.675 65.625,1.675 cw(c65.625,2.025) 65.365,1.791 65.248,1.908 64.631,2.45 64.25,2.831 63.675,3.675 C17.2@63.3,3.875
  Top Layer w0.4: C4.1@75.9,5.1 76.35,4.65 81.05,2.775 FR1.2@81.25,2.3
-5V: C24.2 C35.2 C37.2 C47.2 R19.2 U4.4 U5.4 U6.4 U9.4 | length 48.2
  Top Layer w0.2: v1(67.5,44.3) 67.5,44.925 C47.2@67.475,45.3 67.675,45.675 69.3,47.545 U9.4@70,47.695 ; U4.4@78.225,27.05 78.49,27.05 79.65,28.775 C24.2@80.05,29.5 R19.2@78.475,29.5 ; v1(82.2,35.7) 82.275,36.325 C35.2@82.475,36.7 82.675,37.045 84,37.045 U5.4@84.7,37.195 ; v1(82.5,44.4) 82.5,45.025 C37.2@82.475,45.4 82.675,45.775 84,47.545 U6.4@84.7,47.695
  Top Layer w0.4: C24.2@80.05,29.5 80.1,30.125 v1(80.1,30.9)
  Bottom Layer w0.4: v1(67.5,44.3) 72.086,46.265 cw(c72.5,45.3) 72.71,46.329 75.298,45.8 ; 75.299,45.8 cw(c75.218,45.408) 75.313,45.797 79.92,44.668 ccw(c80.1,45.4) 80.024,44.65 v1(82.5,44.4) v1(82.2,35.7) v1(80.1,30.9)
"AF AMP SUM": C42.1 R54.2 R60.2 | length 7.2
  Top Layer w0.2: R60.2@69,35.825 69.375,36.025 71.95,36.025 C42.1@72.5,36.2 73.05,36.025 75.625,36.025 R54.2@76,35.825
BOOT: C19.1 U2.4 | length 2
  Top Layer w0.2: U2.4@65.45,5.575 65.528,5.205 65.725,4.075 C19.1@66.1,3.875
BOOT_PHASE: C19.2 R15.2 | length 1.7
  Top Layer w0.2: C19.2@66.1,2.325 R15.2@67.8,2.325
BUFFERED: C43.2 R57.2 U9.1 | length 11.7
  Top Layer w0.2: R57.2@65.925,51.8 66.125,52.175 67.063,52.553 cw(c67.175,52.275) 67.175,52.575 67.775,52.575 cw(c67.775,52.275) 67.937,52.528 69.3,51.655 U9.1@70,51.505 70.7,51.355 71.099,50.594 cw(c70.7,50.385) 71.135,50.499 C43.2@72.5,45.3
CHANNEL_0: R40.2 SW2.1 U7.4 | length 29
  Top Layer w0.2: U7.4@11.95,7.625 12.65,7.6 v1(13.6,7.6) ; R40.2@22,13.225 21.625,13.025 21.174,10.002 ccw(c22.46,9.81) 21.179,9.588 SW2.1@22.46,2.19
  Bottom Layer w0.2: v1(13.6,7.6) 12.657,2.519 ccw(c13.3,2.4) 12.979,1.83 14.579,0.93 ccw(c14.9,1.5) 14.758,0.862 15.658,0.662 ccw(c15.8,1.3) 15.989,0.674 19.811,1.826 cw(c20,1.2) 19.913,1.848 SW2.1@22.46,2.19
CHANNEL_1: R41.2 SW2.4 U7.5 | length 20.1
  Top Layer w0.2: U7.5@11.95,6.975 12.65,6.85 12.701,6.85 cw(c12.701,6.501) 12.722,6.849 14.459,6.741 cw(c14.4,5.8) 14.627,6.715 v1(15.9,6.4) ; R41.2@26,13.225 26.375,13.025 SW2.4@27.54,9.81
  Bottom Layer w0.2: v1(15.9,6.4) 25.289,8.543 ccw(c25,9.81) 25.665,8.693 SW2.4@27.54,9.81
CHANNEL_2: R42.2 SW2.3 U7.6 | length 31.9
  Top Layer w0.2: U7.6@11.95,6.325 12.65,6.45 U7.6@12.701,6.45 ; U7.6@12.701,6.45 14.398,6.454 cw(c14.4,5.8) 15.032,5.966 15.532,4.066 cw(c14.9,3.9) 15.551,3.961 v1(15.8,1.3) ; SW2.3@27.54,2.19 28.821,9.588 ccw(c27.54,9.81) 28.826,10.002 28.375,13.025 R42.2@28,13.225
  Bottom Layer w0.2: v1(15.8,1.3) 22.042,3.421 cw(c22.46,2.19) 22.46,3.49 25,3.49 cw(c25,2.19) 25.667,3.306 SW2.3@27.54,2.19
CHANNEL_3: R43.2 SW2.6 U7.7 | length 15.7
  Top Layer w0.2: U7.7@11.95,5.675 12.65,5.8 v1(14.4,5.8) ; SW2.6@22.46,9.81 23.625,13.025 R43.2@24,13.225
  Bottom Layer w0.2: v1(14.4,5.8) 16.192,8.012 cw(c16.7,7.6) 16.532,8.232 SW2.6@22.46,9.81
CPOUT: C26.2 U4.3 | length 2.1
  Top Layer w0.2: U4.3@78.225,26.55 78.49,26.55 78.924,26.696 cw(c79.132,26.076) 79.132,26.73 79.65,26.73 C26.2@80.05,27.2
CTCSS_0: R44.2 SW3.1 U7.8 | length 38.8
  Top Layer w0.2: U7.8@11.95,5.025 11.25,4.9 11.2,4.9 ccw(c11.2,4.551) 10.854,4.602 10.568,2.695 ccw(c11.2,2.601) 10.561,2.604 10.561,2.246 ccw(c11.2,2.249) 11.153,1.613 13.231,1.46 ccw(c13.3,2.4) 13.325,1.457 v1(14.9,1.5) ; R44.2@33,13.225 32.625,13.025 32.174,10.002 ccw(c33.46,9.81) 32.179,9.588 SW3.1@33.46,2.19
  Bottom Layer w0.2: v1(14.9,1.5) 15.447,1.851 cw(c15.8,1.3) 15.624,1.93 22.03,3.72 cw(c22.46,2.19) 22.46,3.779 25,3.779 cw(c25,2.19) 25.181,3.769 27.688,3.482 cw(c27.54,2.19) 27.825,3.458 SW3.1@33.46,2.19
CTCSS_1: R45.2 SW3.4 U7.9 | length 32
  Top Layer w0.2: U7.9@11.95,4.375 12.013,4.438 14.038,4.438 v1(14.1,4.5) ; R45.2@37,13.225 37.375,13.025 SW3.4@38.54,9.81
  Bottom Layer w0.2: v1(14.1,4.5) 27.907,8.563 ccw(c27.54,9.81) 27.914,8.565 ccw(c27.54,9.81) 27.957,8.579 ccw(c27.54,9.81) 28.111,8.642 32.889,10.978 cw(c33.46,9.81) 33.46,11.11 36,11.11 cw(c36,9.81) 36.665,10.927 SW3.4@38.54,9.81
CTCSS_2: R46.2 SW3.3 U7.10 | length 38.6
  Top Layer w0.2: U7.10@11.95,3.725 12.65,3.6 12.701,3.6 cw(c12.701,3.251) 12.788,3.589 v1(14.3,3.2) ; SW3.3@38.54,2.19 39.821,9.588 ccw(c38.54,9.81) 39.826,10.002 39.375,13.025 R46.2@39,13.225
  Bottom Layer w0.2: v1(14.3,3.2) 16.631,2.817 ccw(c16.737,3.463) 16.885,2.826 22.036,4.019 cw(c22.46,2.19) 22.46,4.068 25,4.068 cw(c25,2.19) 25.099,4.065 36.068,3.488 cw(c36,2.19) 36.665,3.307 SW3.3@38.54,2.19
CTCSS_3: R47.2 SW3.6 U7.11 | length 30.7
  Top Layer w0.2: U7.11@11.95,3.075 11.25,2.95 11.198,2.95 ccw(c11.2,2.601) 10.85,2.603 10.85,2.247 ccw(c11.2,2.249) 11.174,1.901 13.252,1.748 ccw(c13.3,2.4) 13.709,1.889 14.709,2.689 ccw(c14.3,3.2) 14.952,3.252 v1(14.9,3.9) ; SW3.6@33.46,9.81 34.625,13.025 R47.2@35,13.225
  Bottom Layer w0.2: v1(14.9,3.9) 20.976,6.114 cw(c21.2,5.5) 21.014,6.127 SW3.6@33.46,9.81
CTCSS_4: R48.2 SW4.1 U7.13 | length 41.4
  Top Layer w0.2: v1(16.737,3.463) 16.969,2.786 ccw(c17.3,2.899) 17.3,2.55 17.35,2.55 U7.13@18.05,2.425 U7.13@18.75,2.3 ; v1(41.8,4.4) 43.991,4.898 ; R48.2@44,13.225 43.625,13.025 43.174,10.002 ccw(c44.46,9.81) 43.179,9.588 43.99,4.904 SW4.1@44.46,2.19
  Bottom Layer w0.2: v1(16.737,3.463) 22.115,4.329 cw(c22.46,2.19) 22.455,4.357 v1(41.8,4.4)
CTCSS_5: R49.2 SW4.4 U7.14 | length 39.6
  Top Layer w0.2: U7.14@18.05,3.075 18.75,2.95 18.801,2.95 cw(c18.801,2.601) 19.104,2.773 v1(20,1.2) ; R49.2@48,13.225 48.375,13.025 SW4.4@49.54,9.81
  Bottom Layer w0.2: v1(20,1.2) 22.292,0.901 ccw(c22.46,2.19) 22.46,0.89 38.54,0.89 ccw(c38.54,2.19) 39.381,1.198 SW4.4@49.54,9.81
"DIF AMP FB+": R26.1 R29.2 U5.2 | length 6.1
  Top Layer w0.2: R26.1@82.475,40 82.675,39.885 84,39.885 U5.2@84.7,39.735 85.4,39.885 85.799,40.646 ccw(c85.4,40.855) 85.85,40.855 85.85,41.155 ccw(c85.4,41.155) 85.83,41.289 85.475,42.425 R29.2@85.1,42.625
"DIF AMP FB-": C30.2 R35.1 U5.6 | length 8.7
  Top Layer w0.2: C30.2@89.7,44.3 88.579,41.313 ccw(c89,41.155) 88.55,41.155 88.55,39.585 ccw(c89,39.585) 88.601,39.376 89,38.615 U5.6@89.7,38.465 90.4,38.587 91.425,38.587 R35.1@91.625,38.8
"DIF AMP INPUT+": C27.2 C28.2 R21.2 R22.2 | length 7.2
  Top Layer w0.2: C27.2@84.6,32.5 86.275,30.275 C28.2@86.475,29.9 R22.2@86.475,28.2 86.275,27.825 85.125,26.975 R21.2@84.925,26.6
"DIF AMP INPUT-": C32.1 C33.2 R36.1 R37.2 | length 7.2
  Top Layer w0.2: R37.2@89.475,26.6 89.275,26.975 88.125,27.825 R36.1@87.925,28.2 C32.1@87.925,29.9 88.125,30.275 C33.2@89.8,32.5
"DIF AMP OUT": R23.2 R32.1 U6.1 | length 24.7
  Top Layer w0.2: R23.2@80.925,51.9 81.125,52.275 82.063,52.653 cw(c82.175,52.375) 82.175,52.675 82.775,52.675 cw(c82.775,52.375) 82.978,52.596 84,51.655 U6.1@84.5,51.5 ; U6.1@84.7,51.505 85.4,51.355 88.648,47.265 ccw(c89,47.545) 88.682,47.226 94.462,41.463 cw(c94,41) 94.57,41.32 97.5,36.1 R32.1@97.5,36
"DIFF2 AMP+": R26.2 R28.1 U5.1 | length 17.5
  Top Layer w0.2: v1(80,51) 80.725,50.775 R28.1@80.925,50.4 ; R26.2@80.925,40 81.125,40.375 83.2,41.5 ; v1(83.7,45.5) 83.2,41.5 ; U5.1@84.382,41.073 84,41.155 83.2,41.5
  Bottom Layer w0.2: v1(80,51) 79.393,50.678 ccw(c79.7,50.1) 79.066,49.941 79.366,48.741 ccw(c80,48.9) 79.624,48.365 v1(83.7,45.5)
"DIFF2 AMP-": R31.1 R35.2 U5.7 | length 22.1
  Top Layer w0.2: v1(80,48.9) R31.1@80.925,48.9 ; v1(86.6,47.7) 90.255,45.071 cw(c89.7,44.3) 90.478,44.844 92.136,42.475 cw(c91.6,42.1) 92.254,42.088 92.225,40.519 cw(c91.925,40.525) 92.219,40.466 92.037,39.553 ; U5.7@89.7,39.735 90.4,39.585 91.927,39.575 cw(c91.925,39.275) 92.037,39.553 ; R35.2@93.175,38.8 92.975,39.175 92.037,39.553
  Bottom Layer w0.2: v1(80,48.9) v1(86.6,47.7)
"DIFF AMP+": C27.1 R27.2 U5.3 | length 7.2
  Top Layer w0.2: R27.2@82.475,38.4 82.675,38.406 84,38.406 U5.3@84.7,38.465 85.4,38.315 85.799,37.554 cw(c85.4,37.345) 85.85,37.345 85.85,37.045 cw(c85.4,37.045) 85.823,36.891 85.15,35.05 C27.1@84.6,34.5
"DIFF AMP-": C33.1 R34.2 U5.5 | length 4.6
  Top Layer w0.2: C33.1@89.8,34.5 89.706,35.05 89.706,37.045 U5.5@89.7,37.195 90.4,37.199 91.425,37.199 R34.2@91.625,37.2
FB_5V: R10.1 R13.2 U2.22 | length 4
  Top Layer w0.2: R10.1@60.975,11.9 R13.2@60.975,10.3 61.175,9.925 61.976,8.979 ccw(c62.205,9.173) 62.205,8.873 62.305,8.873 U2.22@62.675,8.851
FILT1: L2.1 R38.2 R39.2 | length 6.7
  Top Layer w0.342: R38.2@11.7,56.775 11.826,56.775 11.955,56.904 11.955,57.491 L2.1@13.732,59.268 15.464,61 R39.2@16.325,61
FILT2: C38.2 L2.2 L3.1
FILT3: C39.2 L3.2 L4.1
FILT4: C40.2 L4.2 L5.1
fSW: R18.2 U2.24 | length 2
  Top Layer w0.2: R18.2@60.975,8.7 61.175,8.325 62.078,7.901 ccw(c62.205,8.172) 62.205,7.872 62.305,7.872 U2.24@62.675,7.85